# Allegro board RK_TABLET_DEMO1_RK3576_LP4XD200P132SD6_V12_20240530YWQ.brd (continued)
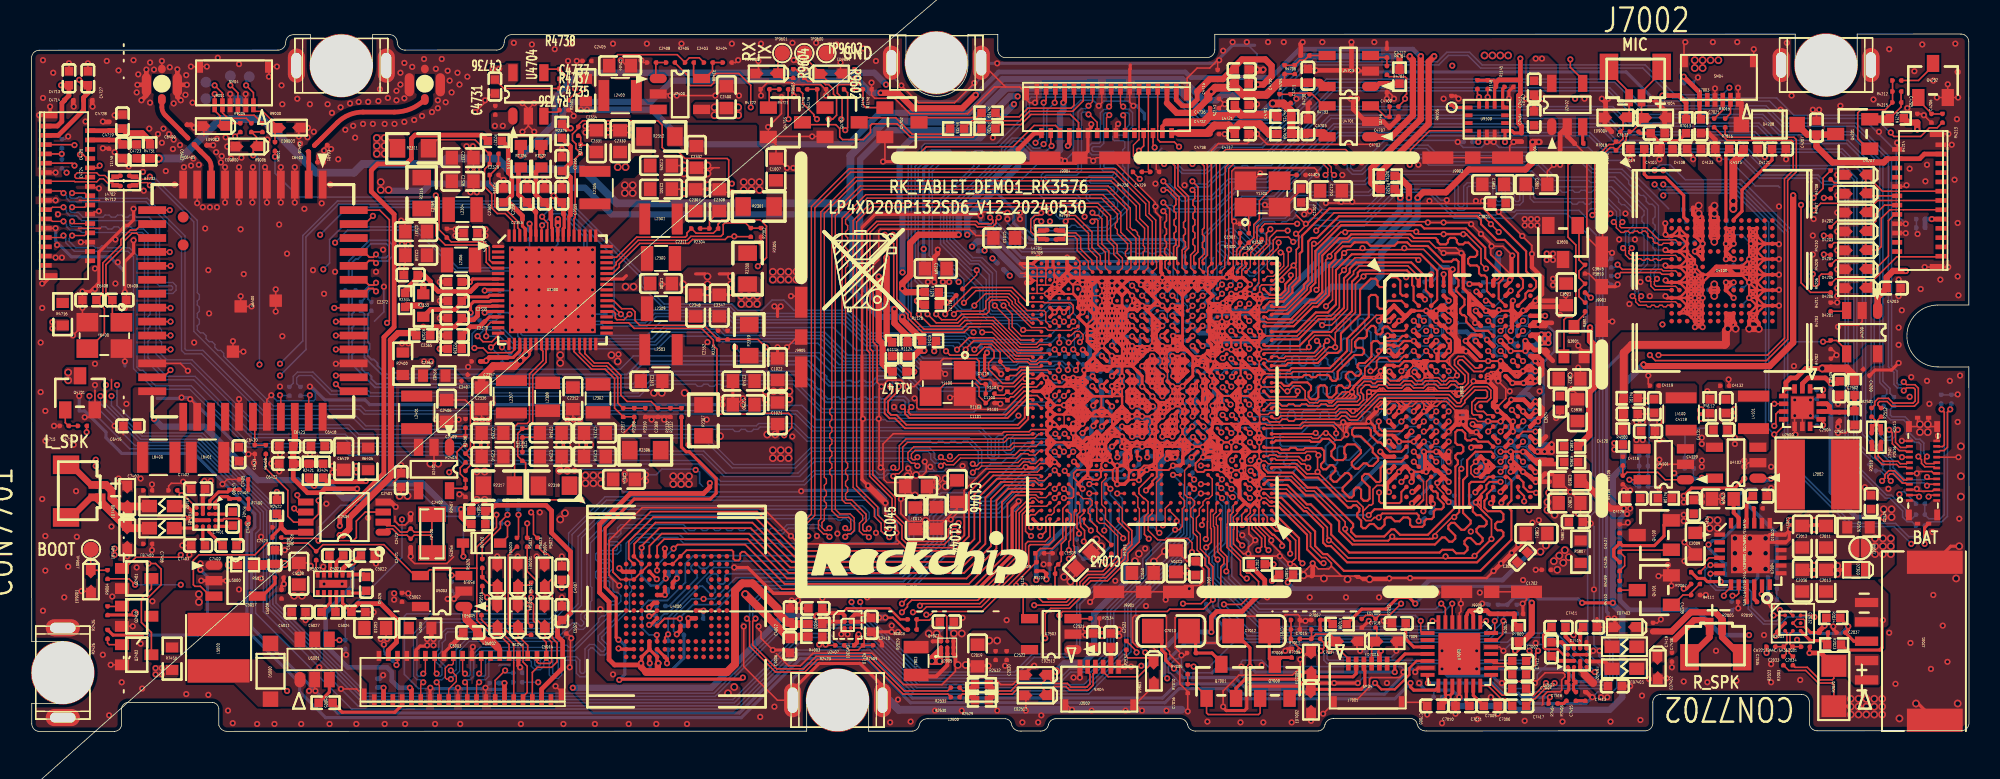
[diagram p0: board, top side]
## Routing (per net, layer and track width the routed paths; a pad name or vN(x,y) marks a point on that pad's centre or on a via; arc(x,y) is an arc through that point) (continued)
  TOP w0.229: U1000.1J24 65.52,19.38 65.52,19.17 U1000.1H24 ; U1000.1J24 65.94,19.8 v1(66,19.8) ; U1000.1J24 65.52,19.77 65.52,19.98 U1000.1K24 ; v1(76.22,24.07) 76.52,24.37 U1000.1U6 v1(76.82,24.67) U1000.1V6 ; v1(76.22,24.07) 76.27,24.02 76.27,24.02 U1000.1T6 ; v1(76.22,24.07) 76.07,23.92 ; U1000.2B6 v1(72.32,19.05) 71.99,18.72 ; U1000.2B6 72.64,18.72 72.32,18.39 ; U1000.2B6 72.97,18.4 ; U1000.2B6 U1000.2B7 ; 67.82,18.07 U1000.1F21 67.82,17.47 ; 67.82,18.07 U1000.1G21 ; 67.82,18.07 v1(67.87,18.07) ; v1(69.72,28.8) U1000.2V11 ; v1(69.72,28.8) U1000.2U11 ; v1(69.72,28.8) U1000.2U10 ; v1(69.72,28.8) U1000.2V10 ; U1000.2V11 69.59,29.32 ; U1000.2V11 69.2,29.32 ; 69.07,23.6 U1000.2J12 ; 69.07,23.6 U1000.2K12 ; 69.07,23.6 U1000.2J11 U1000.2K10 ; 71.99,27.17 U1000.2P6 ; 71.99,27.17 U1000.2T6 72.32,28.15 ; 71.99,27.17 v1(71.67,27.5) ; 66.58,29.43 U1000.AK25 U1000.AL25 66.82,30.6 v1(66.83,30.61) ; 66.58,29.43 66.88,29.13 ; 66.58,29.43 U1000.1AE23 v1(66.02,28.87) ; U1000.2U6 72.64,28.47 ; 72.64,28.47 72.32,28.8 ; 72.64,28.47 v1(72.97,28.8) U1000.2U5 73.62,28.8 ; 72.64,28.47 72.32,28.15 ; v1(72.97,24.89) 72.97,24.25 ; v1(72.97,24.89) 72.97,24.89 73.29,24.57 ; v1(72.97,24.89) 72.96,24.9 v1(72.32,24.9) ; v1(72.97,24.89) 72.96,24.89 U1000.2L6 ; v1(72.97,24.89) 72.97,24.9 U1000.2M6 ; 72.97,24.25 v1(72.97,24.24) 72.97,24.24 U1000.2K5 72.97,23.6 v1(72.97,23.59) 72.97,23.59 U1000.2J5 ; 72.97,24.25 73.29,24.57 ; 72.97,24.25 U1000.2L6 ; 73.62,28.8 U1000.2V5 73.1,29.32 ; 73.62,28.8 U1000.2U4 ; 73.62,28.8 U1000.2V4 ; U1000.2R4 74.19,26.92 74.27,26.92 ; U1000.2R4 74.27,27.5 ; U1000.2R4 v1(73.62,27.5) U1000.2R5 ; v1(77.42,26.47) U1000.1Y5 ; v1(77.42,26.47) U1000.1Y4 ; v1(77.42,26.47) U1000.1AA4 ; U1000.1Y5 v1(76.82,26.47) U1000.1Y6 ; U1000.1Y5 76.84,25.9 76.84,25.84 ; v1(70.37,20.35) v1(71.02,20.35) U1000.2D9 v1(70.37,20.35) ; v1(70.37,20.35) U1000.2D10 ; v1(70.37,20.35) 70.04,20.67 ; v1(70.37,20.35) 70.69,20.67 ; v1(70.37,20.35) 69.72,20.35 ; 72.19,29.32 71.99,29.12 ; 72.19,29.32 71.8,29.32 ; 72.19,29.32 72.45,29.32 ; 76.84,25.84 v1(76.84,25.84) ; 76.84,25.84 U1000.1Y6 ; U1000.1F20 68.44,17.77 ; U1000.1F20 68.12,17.17 ; U1000.1F20 68.36,17.53 ; U1000.1F20 68.05,17.83 ; U1000.1F20 67.82,17.47 ; 68.44,17.77 U1000.2A12 ; 68.44,17.77 68.44,18.05 U1000.1G20 ; 65.42,22.27 U1000.1N24 ; 65.42,22.27 U1000.1P24 66.02,22.27 U1000.1N24 ; 65.42,22.27 65.17,22.02 U1000.T28 ; U1000.2F5 73.62,21.65 ; U1000.2F5 73.07,21.1 73.07,20.94 73.1,20.9 73.1,20.88 72.85,20.88 U1000.2E6 ; U1000.2F5 73.62,21 ; 73.62,21.65 U1000.2G4 ; 73.62,21.65 U1000.2F4 73.62,21 ; 76.21,19.82 76.21,19.87 76.49,20.15 76.49,20.17 ; 70.78,16.24 U1000.1C16 v1(70.05,15.97) ; 73.75,29.32 U1000.2V4 ; 73.75,29.32 73.49,29.32 ; 73.75,29.32 74.14,29.32 ; U1000.2V4 74.14,29.32 ; U1000.2M4 73.65,25.52 v1(73.65,25.55) ; U1000.2M4 73.65,24.93 ; U1000.2M4 74.27,24.9 ; U1000.2M4 74.27,25.55 ; U1000.1AA2 78.62,27.07 ; U1000.1AA2 79.22,27.07 ; U1000.1AA2 79.22,26.47 U1000.1Y2 v1(79.26,25.83) U1000.1W1 U1000.1V2 ; v1(77.12,29.34) 77.09,29.31 ; v1(77.12,29.34) 77.12,29.52 U1000.AK6 ; v1(77.12,29.34) 77.12,29.31 ; v1(77.12,29.34) 77.14,29.31 ; 77.09,29.31 77.12,29.31 ; 77.09,29.31 76.66,29.31 ; U1000.1K24 65.52,20.37 65.52,20.58 U1000.1L24 ; U1000.1K24 66,19.89 v1(66,19.8) ; U1000.1K24 66.02,20.47 ; U1000.1V2 U1000.1W3 ; U1000.1V2 v1(79.22,24.67) U1000.1U2 v1(79.22,24.07) ; 71.06,18.43 U1000.2B8 v1(71.67,18.4) 71.99,18.72 ; 71.06,18.43 70.98,18.36 ; 71.06,18.43 70.98,18.43 ; 67.82,18.67 U1000.1H20 ; 67.82,18.67 U1000.1G21 ; 67.82,18.67 U1000.1H21 ; 67.82,18.67 68.04,18.45 ; U1000.1H20 68.42,18.67 68.42,18.4 ; U1000.1H20 68.34,18.97 68.42,19.05 ; U1000.1AD20 68.42,28.27 U1000.1AC20 ; U1000.1AD20 68.42,28.87 ; U1000.1AD20 v1(67.82,28.27) U1000.1AC20 ; 77.58,29.31 77.58,29.36 U1000.AK6 ; 77.58,29.31 77.86,29.31 ; 77.58,29.31 77.14,29.31 ; 77.58,29.31 U1000.1AE4 77.86,29.31 ; 78.12,17.37 U1000.1E3 78.05,16.91 78.05,16.86 ; 78.12,17.37 78.12,17.47 v1(78.11,17.47) 78.12,17.47 78.12,17.57 U1000.1F3 ; 78.12,17.37 78.12,16.92 78.05,16.86 ; U1000.2R11 v1(69.72,27.5) U1000.2T11 v1(69.07,27.5) ; U1000.2R11 v1(69.72,26.85) U1000.2R10 ; U1000.2R11 v1(69.07,27.5) ; 74.27,18.4 U1000.2A3 ; 74.27,18.4 74.59,18.72 U1000.2B3 ; 74.27,18.4 U1000.2B4 ; 74.27,18.4 74.89,18.4 ; v1(76.84,25.84) 76.84,25.84 U1000.1W5 U1000.1V6 ; v1(76.84,25.84) 76.79,25.84 U1000.1W6 76.22,25.87 ; U1000.1K21 67.22,20.47 ; U1000.1K21 v1(67.82,19.87) ; U1000.1K21 67.82,20.47 ; U1000.1K21 U1000.1L21 ; 67.22,20.47 U1000.1L21 ; 67.22,20.47 v1(67.22,21.07) ; 67.22,20.47 U1000.1L22 ; 68.42,23.6 68.16,23.34 v1(67.92,23.34) ; 68.42,23.6 U1000.2K12 ; 68.42,23.6 68.69,23.32 ; 68.42,23.6 68.24,23.77 U1000.1T20 ; U1000.1V6 76.12,24.57 U1000.2L1 75.89,24.51 ; 76.11,19.37 76.24,19.25 ; v1(66.62,22.87) U1000.1P22 ; U1000.1P22 67.19,22.85 v1(67.22,22.85) 67.24,22.85 U1000.1P21 ; U1000.1P22 67.22,22.27 ; U1000.1P22 66.62,22.27 ; U1000.1K20 67.82,20.47 ; U1000.1K20 U1000.1L20 ; U1000.1K20 v1(67.82,19.87) ; 67.82,20.47 67.82,21.07 ; 67.82,20.47 U1000.1L21 ; 67.82,20.47 v1(67.82,19.87) ; 67.82,20.47 U1000.1L20 ; U1000.2E10 70.04,20.67 ; U1000.2E10 70.37,21 U1000.2E9 70.69,20.67 ; U1000.2E10 69.72,20.35 ; 70.04,20.67 70.69,20.67 ; v1(77.97,18.72) 78.06,18.72 U1000.1H3 78.06,19.23 v1(77.97,19.23) ; v1(77.97,18.72) 77.97,18.72 U1000.1H4 ; v1(77.97,18.72) 78.04,18.64 U1000.1G3 ; 77.97,21.72 77.97,22.22 ; 77.97,21.72 U1000.1N4 ; 77.97,21.72 78.02,21.67 U1000.1M4 ; 77.97,22.22 U1000.1N4 ; 77.97,22.22 78.04,22.29 v1(78.04,22.32) ; 75.05,29.32 U1000.2V2 75.44,29.32 ; 75.05,29.32 74.79,29.32 ; 75.05,29.32 75.44,29.32 ; U1000.2A11 v1(69.07,18.4) ; U1000.2A11 69.58,17.88 v1(69.58,17.5) ; U1000.2A11 69.07,17.75 U1000.2A12 ; 67.82,21.07 U1000.1M21 ; 67.82,21.07 U1000.1M20 ; 67.82,21.07 v1(67.82,21.67) ; 67.82,21.07 v1(67.22,21.07) ; 67.82,21.07 U1000.1L21 ; 67.82,21.07 U1000.1L20 ; U1000.1M21 v1(67.22,21.67) ; U1000.1M21 v1(67.82,21.67) ; U1000.1M21 v1(67.22,21.07) ; v1(67.22,21.67) U1000.1N21 ; v1(67.22,21.67) U1000.1M22 ; v1(67.22,21.67) v1(67.82,21.67) ; v1(67.22,21.67) v1(67.22,21.07) ; U1000.1N21 67.82,22.27 ; U1000.1N21 67.22,22.27 ; U1000.1N21 v1(67.82,21.67) ; v1(67.82,19.87) U1000.1J21 ; v1(67.82,19.87) v1(67.22,19.87) ; U1000.2V7 71.8,29.32 ; U1000.2V7 71.72,28.85 71.61,28.85 ; U1000.2V7 72.32,28.8 ; 71.8,29.32 71.54,29.32 ; v1(72.87,30.61) U1000.AL14 U1000.AK14 72.97,29.57 v1(72.97,29.32) ; U1000.2G4 73.62,22.29 v1(73.62,22.29) 73.58,22.33 73.58,22.33 U1000.2H5 ; U1000.2G4 v1(74.27,21.65) ; U1000.2G4 v1(74.27,22.3) U1000.2H3 74.93,22.96 ; v1(76.89,27.67) 76.82,27.67 U1000.1AB6 ; U1000.1AB6 76.82,27.07 U1000.1AB5 77.33,27.58 v1(77.33,27.68) ; U1000.1AB6 76.39,27.5 76.22,27.5 ; U1000.1AB6 76.32,27.17 U1000.2R1 ; 76.77,18.62 v1(76.77,18.67) 76.77,18.72 U1000.1H6 ; 76.77,18.62 76.77,18.12 ; 76.77,18.62 U1000.1G6 ; U1000.2K10 v1(69.7,24.26) ; U1000.2K10 70.37,24.25 U1000.2K9 ; U1000.2K10 70.37,23.6 U1000.2K9 ; 68.04,18.45 U1000.1G20 ; 68.04,18.45 68.3,18.72 U1000.2B12 ; U1000.1G20 68.39,18.37 68.42,18.4 ; U1000.1G20 67.87,18.12 v1(67.87,18.07) ; U1000.2A12 68.42,18.4 ; U1000.2A12 68.29,18.07 68.05,17.83 ; U1000.2A12 v1(69.07,18.4) ; U1000.AK6 77.54,29.94 ; v1(73.65,17.17) U1000.1E10 74.28,17.34 74.28,17.76 U1000.2A3 ; v1(77.97,19.23) 77.97,19.23 U1000.1H4 ; v1(77.97,19.23) 77.97,19.32 U1000.1J4 ; U1000.1L6 76.41,20.77 76.18,21 76.18,21.01 v1(76.2,21.03) 76.2,21.06 U1000.1M6 ; U1000.1L6 v1(76.82,21.07) ; U1000.1L6 76.19,20.45 v1(76.19,20.37) 76.4,20.17 76.49,20.17 ; U1000.1J21 v1(67.22,19.27) U1000.1H21 ; U1000.1J21 U1000.1J22 ; 77.86,29.31 78.18,29.31 U1000.1AE3 v1(78.62,28.87) U1000.1AD3 v1(78.02,28.27) ; U1000.1E5 76.86,16.92 v1(76.77,16.92) ; U1000.1E5 v1(77.42,16.87) U1000.1D5 ; U1000.1E5 76.78,17.51 ; 73.62,21 v1(73.62,21) ; 73.62,21 v1(73.62,21) ; U1000.1N4 77.42,21.67 U1000.1M4 ; 66.62,18.67 U1000.1G22 67.22,18.67 ; v1(66,19.8) 66.09,19.8 U1000.1J23 ; 68.36,17.53 68.36,17.18 68.25,17.07 68.22,17.07 68.12,17.17 ; 68.36,17.53 69.56,17.53 v1(69.58,17.5) ; U1000.1M20 68.42,21.67 ; U1000.1M20 v1(67.82,21.67) ; v1(72.97,29.32) 72.84,29.32 ; v1(72.97,29.32) 73.1,29.32 ; 72.84,29.32 72.45,29.32 ; 72.84,29.32 U1000.2V6 ; 70.69,18.72 v1(70.37,19.05) U1000.2C10 ; 70.69,18.72 v1(70.37,18.4) 70.69,18.07 70.98,18.36 ; 70.69,18.72 U1000.2B9 70.98,18.43 ; 67.22,18.67 U1000.1G21 ; 67.22,18.67 U1000.1H21 ; v1(69.07,18.4) U1000.2B11 ; v1(69.07,18.4) U1000.2B12 ; U1000.1AC20 67.82,27.67 ; U1000.1AC20 68.42,27.67 U1000.1AB20 ; U1000.1AC21 67.82,27.67 ; 67.82,27.67 U1000.1AB21 ; 67.82,27.67 U1000.1AB20 ; U1000.2U10 70.37,28.15 U1000.2U9 70.69,28.47 U1000.2V10 ; U1000.2U10 70.69,29.12 ; 76.19,17.77 76.5,17.77 ; 76.5,17.77 U1000.1F6 ; 76.5,17.77 76.21,17.48 U1000.1E6 ; U1000.1F5 76.82,18.07 ; U1000.1F5 76.85,17.51 76.78,17.51 ; U1000.1F5 77.42,18.07 ; 76.82,18.07 U1000.1F6 ; 76.82,18.07 76.77,18.12 ; 68.42,18.4 U1000.2B12 ; v1(71.67,20.35) U1000.2E8 ; U1000.2R12 68.74,27.14 68.54,26.94 U1000.1AB20 ; U1000.2R12 v1(69.07,27.5) ; U1000.2R12 68.74,27.35 ; U1000.1G24 65.52,18.18 65.52,17.97 U1000.1F24 ; U1000.1G24 66.02,18.67 U1000.1H24 ; U1000.1G24 65.52,18.57 65.52,18.78 U1000.1H24 ; 74.89,18.4 74.92,18.4 U1000.2B3 ; 74.89,18.4 v1(74.89,18.37) U1000.2A3 ; U1000.1H4 v1(77.42,18.67) ; U1000.1F3 78.02,18.07 U1000.1G3 ; U1000.1F3 78.62,18.07 U1000.1G3 ; U1000.2R1 76.22,27.5 ; U1000.2R1 75.89,27.16 76.08,26.97 76.08,26.71 U1000.2P1 ; 78.05,16.86 78.05,16.83 ; 78.05,16.83 v1(78.05,16.83) ; 78.05,16.83 U1000.1D3 ; 70.5,29.32 70.89,29.32 ; 70.5,29.32 70.69,29.12 ; 70.5,29.32 70.24,29.32 ; 70.89,29.32 71.15,29.32 ; 70.89,29.32 70.69,29.12 ; U1000.1Y6 76.22,25.87 ; U1000.1Y6 76.17,26.52 U1000.2P1 ; U1000.2C11 U1000.2B12 ; U1000.2C11 69.72,19.7 ; U1000.2C11 69.72,19.05 ; U1000.2B12 68.42,19.05 ; 70.98,18.36 70.98,18.43 ; 69.39,25.22 U1000.2M11 ; U1000.1T6 76.82,23.47 U1000.1T5 77.42,23.47 ; U1000.1T6 76.25,23.5 ; 75.54,28.82 U1000.2U1 ; U1000.2U1 76.22,28.8 ; U1000.2U1 76.22,28.15 U1000.2T1 76.22,27.5 ; v1(66.02,17.4) 66.02,17.47 U1000.1F24 ; v1(66.02,17.4) 66.03,17.38 66.1,17.38 U1000.1E23 ; v1(66.02,17.4) 65.94,17.4 U1000.1E24 65.52,17.37 65.52,17.58 U1000.1F24 ; 75.44,29.32 75.7,29.32 75.7,29.31 ; U1000.1U4 77.97,24.63 v1(77.97,24.63) 78.06,24.63 U1000.1U3 78.06,24.12 v1(77.97,24.12) ; U1000.1U4 v1(77.97,24.12) ; U1000.1U4 v1(77.42,24.67) ; U1000.1C2 v1(79.22,15.67) U1000.1B2 v1(79.22,15.07) U1000.1A2 ; U1000.1C2 U1000.1D1 79.26,16.82 79.26,16.82 79.26,16.83 U1000.1E2 v1(79.22,17.47) ; U1000.1C2 v1(78.63,16.26) U1000.1D3 ; v1(78.02,21.07) U1000.1L3 78.06,20.52 v1(78.06,20.43) ; v1(78.02,21.07) U1000.1L4 v1(78.06,20.43) ; v1(78.02,21.07) U1000.1M4 ; 77.12,29.31 77.14,29.31 ; U1000.1A2 79.19,14.49 ; U1000.1A2 78.64,14.5 78.5,14.64 78.45,14.64 U1000.1A3 ; v1(78.04,22.32) 77.97,22.32 U1000.1P4 ; v1(78.04,22.32) 78.04,22.34 77.97,22.41 77.97,22.8 v1(78,22.83) 78.06,22.83 U1000.1P3 78.06,22.32 v1(78.04,22.32) ; U1000.AL29 64.95,30.55 v1(64.95,30.61) ; U1000.1E6 76.76,17.42 v1(76.76,17.51) ; U1000.1E6 v1(76.77,16.92) ; U1000.1D5 v1(77.45,16.24) 77.48,16.21 ; U1000.1D5 v1(76.77,16.92) ; v1(67.82,21.67) 68.42,21.67 ; v1(67.82,21.67) U1000.1N20 ; v1(67.82,21.67) 67.82,22.27 ; 76.82,19.87 U1000.1K6 76.49,20.17 ; 74.27,28.8 73.94,29.12 ; 74.27,28.8 U1000.2U3 ; 74.27,28.8 U1000.2V3 74.4,29.32 ; 74.27,28.8 U1000.2U4 ; 72.32,28.8 72.32,28.8 ; 72.32,28.8 72.32,28.8 ; 72.32,28.8 U1000.2V6 ; 76.22,25.87 U1000.2N1 ; U1000.2N1 76,25.98 76,26.41 U1000.2P1 ; U1000.2N1 76.04,25.73 ; U1000.1L22 67.21,21.06 67.21,21.07 ; U1000.1L22 66.62,20.47 ; U1000.1N24 65.52,21.78 65.52,21.68 v1(65.51,21.67) ; 76.22,28.8 U1000.2V1 75.7,29.31 ; 76.22,28.8 76.38,28.96 76.38,29.03 U1000.1AE6 76.66,29.31 ; 67.66,29.32 U1000.1AE21 67.37,29.32 ; 67.66,29.32 67.97,29.32 ; 67.66,29.32 67.37,29.32 ; U1000.2P6 72.97,26.2 v1(72.97,26.2) ; U1000.2P6 72.32,26.2 U1000.2N6 72.32,25.55 U1000.2M6 ; 73.49,29.32 73.1,29.32 ; 73.49,29.32 73.29,29.12 ; v1(74.27,20.35) U1000.2D3 v1(74.27,19.7) ; 68.12,17.17 67.82,17.47 ; 71.54,29.32 U1000.2V8 ; 71.54,29.32 71.15,29.32 ; U1000.2V8 71.58,28.88 v1(71.58,28.85) 71.61,28.85 ; U1000.2V8 71.15,29.32 ; U1000.2G10 v1(70.37,22.3) ; 72.32,18.39 U1000.2B7 ; 72.32,18.39 U1000.2A6 ; 74.14,29.32 74.4,29.32 ; 69.72,25.55 U1000.2M10 ; U1000.2M10 70.38,25.56 ; U1000.2M10 70.02,25.2 ; 72.32,28.8 U1000.2U7 ; U1000.1T3 78.02,23.47 ; U1000.1T3 v1(77.97,24.12) ; U1000.1T3 U1000.1R2 ; 68.42,28.87 68.49,28.87 U1000.2V12 ; 68.42,28.87 U1000.1AE20 ; U1000.1L21 v1(67.22,21.07) ; v1(69.58,17.5) 69.91,17.17 v1(70.05,17.17) U1000.1E16 70.52,17.9 U1000.2A9 ; U1000.1P21 67.82,22.27 ; U1000.1P21 67.22,22.27 ; U1000.1P21 67.82,22.87 ; 67.82,22.27 U1000.1P20 67.82,22.87 ; 67.82,22.27 U1000.1N20 ; 74.27,24.9 U1000.2L3 U1000.2K2 ; 74.27,24.9 U1000.2L4 73.94,24.61 v1(73.65,24.9) ; 79.22,20.47 U1000.1L2 78.94,20.8 v1(79.26,21.12) ; U1000.1K3 v1(78.06,20.43) ; U1000.1K3 U1000.1J4 ; U1000.1K3 U1000.1J2 79.22,19.87 ; U1000.2K9 71.02,24.25 ; U1000.2K9 71.02,23.6 U1000.2K8 71.02,24.25 ; v1(68.45,22.3) 68.74,22 U1000.2G12 ; 70.69,27.17 70.36,26.84 ; 70.69,27.17 U1000.2R9 v1(71.02,27.5) ; 70.69,27.17 70.37,27.5 ; 70.36,26.84 70.04,27.17 ; 70.36,26.84 70.69,26.52 70.69,26.52 70.37,26.2 70.69,25.87 70.38,25.56 ; U1000.2D10 69.72,20.35 ; U1000.2D10 69.72,19.7 ; 69.72,20.35 69.72,20.35 ; 69.72,20.35 69.72,20.35 ; 76.25,23.5 76.25,23.56 ; 76.25,23.5 76.02,23.27 U1000.2J1 U1000.2K1 75.89,23.98 75.6,24.28 ; v1(65.51,21.67) 65.47,21.67 U1000.T28 ; v1(65.51,21.67) 65.51,21.58 U1000.1M24 65.52,21.18 65.52,20.97 U1000.1L24 ; 76.17,18.72 U1000.1G6 ; U1000.1G6 76.52,18.37 ; U1000.1G6 76.22,18.07 ; U1000.1G6 76.77,18.12 ; 70.69,29.12 U1000.2V9 ; U1000.2U3 74.27,28.15 U1000.2U4 ; U1000.2U3 74.92,28.8 75.02,28.8 75.04,28.82 75.04,28.82 ; v1(79.27,28.23) 79.27,28.22 U1000.1AC1 ; U1000.1AE20 68.26,29.32 ; U1000.1AE20 67.97,29.32 ; 68.26,29.32 68.55,29.32 ; 68.26,29.32 67.97,29.32 ; v1(71.96,16.89) 72.24,17.17 U1000.1E13 72.64,17.5 U1000.2A6 ; 71.67,24.25 U1000.2L8 ; U1000.2L8 71.02,24.25 ; U1000.2L8 71.34,24.57 v1(71.02,24.89) ; v1(71.67,27.5) U1000.2R8 v1(71.02,27.5) ; v1(71.67,27.5) U1000.2T8 v1(71.02,27.5) ; U1000.2B4 73.62,18.4 U1000.2B5 73.24,18.67 72.97,18.4 ; U1000.2B4 v1(74.27,19.05) U1000.2B3 ; U1000.2F6 72.69,21.27 U1000.2E5 v1(73.62,21) ; v1(67.87,18.07) 67.87,18.02 68.05,17.83 ; 68.55,29.32 68.94,29.32 ; 68.55,29.32 U1000.2V12 ; 68.94,29.32 U1000.2V12 ; 68.94,29.32 69.2,29.32 ; v1(67.82,15.67) U1000.1C21 ; U1000.2C10 69.72,19.7 ; U1000.2C10 69.72,19.05 ; 69.59,29.32 69.2,29.32 ; 69.59,29.32 69.85,29.32 ; U1000.2V10 69.85,29.32 ; U1000.2V10 70.24,29.32 ; 69.85,29.32 70.24,29.32 ; 74.4,29.32 74.79,29.32 ; 71.99,24.57 v1(72.32,24.9) ; 74.79,29.32 74.59,29.12 ; 76.14,18.97 U1000.1H6 ; U1000.1H6 76.52,18.7 ; 76.04,25.73 76.22,25.55 76.04,25.36 ; 76.04,25.73 76.04,25.36 ; U1000.2M6 v1(72.32,24.9) ; U1000.2M6 U1000.2L6 ; v1(72.32,24.9) U1000.2L6 ; U1000.2E6 72.97,20.35 v1(72.97,20.34) ; U1000.2E6 72.32,20.35 72.32,20.34 ; U1000.1N20 68.42,21.67 ; U1000.2K12 68.53,24.13 68.53,24.18 U1000.1T20 ; 72.45,29.32 U1000.2V6 ; v1(67.92,23.34) 67.94,23.32 67.94,22.99 67.82,22.87 ; v1(67.92,23.34) 68.06,23.48 68.06,23.72 U1000.1T20 ; 73.29,24.57 U1000.2L5 73.62,24.9 ; v1(67.22,21.07) 67.21,21.07 ; 71.61,28.85 U1000.2U7 ; U1000.1D3 77.96,16.21 ; v1(79.26,21.12) 79.26,21.12 U1000.1M1 79.22,21.67 ; v1(79.26,21.12) 79.17,21.12 U1000.1M2 ; U1000.1L24 66.02,20.47 ; 66.02,20.47 66.04,20.5 ; 76.04,25.36 U1000.2M1 76.14,24.97 76.14,24.87 ; 72.97,18.4 U1000.2A6 ; 69.72,19.05 U1000.2B11 ; v1(75.59,17.71) 75.98,17.71 ; U1000.1C4 77.48,16.21 ; U1000.1C4 77.96,16.21 ; U1000.1C4 77.93,15.76 77.93,15.16 77.96,15.13 ; 77.48,16.21 77.96,16.21 ; U1000.T28 U1000.T29 ; U1000.2B7 71.99,18.72 ; 68.42,19.05 U1000.2C12 U1000.2B11 ; U1000.2H10 v1(69.72,22.3) ; 67.21,21.07 v1(66.62,21.07) ; v1(64.24,28.98) 64.48,28.98 U1000.AJ29 ; 76.22,18.07 U1000.2A1 75.59,18.37 v1(75.57,18.37) 75.57,18.4 U1000.2B1 76.05,18.88 76.05,19.22 U1000.2C1 ; 76.22,18.07 U1000.1F6 ; 70.38,25.56 70.38,25.53 70.69,25.22 70.39,24.92 70.39,24.87 70.04,25.22 ; 77.96,16.21 77.96,15.13 ; U1000.1L5 v1(76.82,21.07) ; U1000.1R2 v1(79.22,22.87) U1000.1R1 79.22,23.47 U1000.1R2 ; 75.7,29.31 76.66,29.31 ; U1000.2U7 72.32,28.15 ; 70.04,27.17 70.36,27.49 ; 70.04,27.17 69.71,27.49 ; 64.89,22.8 64.89,22.8 U1000.V28 65.22,23.07 v1(65.45,22.84) ; 79.22,21.67 U1000.1N2 78.62,21.67 U1000.1M2 ; 79.22,21.67 U1000.1M2 ; v1(76.14,22.97) 76.52,22.6 U1000.1P6 76.25,22.3 v1(76.17,22.3) 76.18,22.3 76.19,22.3 76.51,21.97 U1000.1N6 76.82,21.67 U1000.1M6 ; U1000.1F6 76.76,17.52 v1(76.76,17.51) ; 76.78,17.51 v1(76.76,17.51) ; v1(76.76,17.51) 76.56,17.71 ; v1(76.82,21.07) U1000.1M6 ; U1000.1A3 77.96,15.13 ; U1000.1A3 U1000.B5 ; v1(64.16,17.08) 64.21,17.02 U1000.G29 ; 78.29,28 U1000.1AC3 v1(78.02,28.27) ; 67.11,29.33 67.13,29.32 67.37,29.32 ; v1(71.91,15.57) U1000.1C13 ; v1(66.02,28.87) U1000.1AD23 ; v1(66.02,28.87) U1000.1AD24 65.51,28.36 v1(65.51,28.28) 65.51,28.18 U1000.1AC24 ; 75.04,28.82 75.04,28.67 U1000.2U2 75.49,28.72 v1(75.49,28.82) ; 75.04,28.82 75.04,28.92 ; U1000.1J4 77.42,19.87 ; U1000.1AC4 v1(78.02,28.27) ; v1(69.07,24.9) U1000.2L11 ; 76.19,19.75 76.19,19.84
  TOP w0.254: 92.54,19.67 92.38,19.83 v1(92.38,20.01) 92.33,20.01 92.13,19.81 91.88,19.81 ; 92.54,19.67 92.54,20.16 92.61,20.23 ; 92.54,19.67 92.88,19.34 v1(93.22,19.34) U3800.T8 ; v1(39.89,4.4) 39.87,4.43 U4000.P4 ; U3800.J3 89.84,23.27 v1(89.96,23.27) ; v1(93.04,22.62) 93.1,22.57 93.94,22.57 v1(93.99,22.62) ; v1(9.88,13.79) 10.14,13.79 v1(10.29,13.64) 10.29,13.64 U7400.C4 U7400.C2 ; U4000.H10 43.35,7.81 v1(43.36,7.8) ; v1(62.51,21.16) 62.46,21.21 C1101.2 ; U4000.P6 41.01,4.67 v1(41.01,4.4) ; J5000.32 31.41,4.25 v1(31.52,4.14) ; v1(89.84,18.07) 89.91,18 89.91,16.85 v1(89.99,16.77) ; v1(73.65,25.55) 73.65,25.54 73.65,24.9 v1(73.65,24.9) 73.62,24.9 ; v1(100.71,2.21) 100.66,2.21 100.34,2.54 C7415.1 ; v2(111.46,26) 111.46,26.38 U4100.P12 ; v2(59.52,6.32) 59.49,6.3 U2005.C3 U2005.C2 U2005.C1 59.62,4.89 59.62,4.29 ; v1(95.44,17.42) 95.52,17.51 95.52,17.98 v1(95.44,18.07) ; U2407.B1 52.46,6.52 52.66,6.32 v1(52.66,6.27) ; U3800.C5 91.37,27.24 ; v1(96.24,20.67) U3800.N11 ; 93.25,23.97 92.67,24.55 v1(92.55,24.55) ; U4000.A6 v1(40.87,11.81) ; v1(41.63,9.88) 41.37,9.61 U4000.E7 ; U4100.P11 v2(110.83,26.01)
  TOP w0.279: v1(96.25,27.18) 96.26,27.2 96.41,27.2 U3800.C12 v1(97.04,27.82) 97.46,28.24 97.46,29.34 96.81,29.99 v1(96.81,30.84) ; U3800.K9 v1(94.64,22.62) 94.7,22.68 94.7,23.23 v1(94.78,23.32) ; U3800.K9 94.69,23.32 v1(94.78,23.32) ; U3800.K9 v1(93.99,22.62) ; 96.87,16.29 97.03,16.13 97.05,16.13 v1(97.06,16.12) ; v1(90.64,18.07) 90.79,18.07 U3800.V5 ; v1(89.46,29.34) 89.51,29.28 U3800.A3 ; U3800.V5 v1(91.44,17.42) v1(91.44,18.07) U3800.V5 ; v1(95.55,30.74) 95.49,30.69 95.49,29.27 v1(95.39,29.17) 95.39,29.07 U3800.A10 ; U3800.J10 95.11,23.6 v1(94.79,23.92) 94.78,23.92 v1(94.78,23.32) ; U3800.J10 95.76,22.95 U3800.K11 ; U3800.J10 94.84,23.32 v1(94.78,23.32) ; U3800.D11 95.52,26.45 ; 95.52,26.45 95.52,25.95 v1(95.44,25.87) ; 95.52,26.45 95.52,27.24 ; U3800.AB10 94.84,14.87 v1(94.84,14.77) ; v1(97.3,17.3) 97.15,17.3 96.71,17.74 U3800.V12 96.39,18.07 v1(96.24,18.07) ; 95.91,17.1 v1(96.24,16.77) U3800.Y12 ; 89.74,16.77 v1(89.99,16.77) U3800.W4 ; v1(96.24,23.27) 96.56,23.6 U3800.J12 ; 93.91,27.17 v1(93.84,27.17) U3800.C8 93.45,27.56 ; 93.91,27.17 93.98,27.1 94.57,27.1 v1(94.69,27.22) 94.69,27.22 U3800.D9 93.99,27.17 93.91,27.17 ; 92.77,27.56 92.77,28.24 93.45,27.56 ; 92.77,27.56 92.77,27 93.14,26.62 v1(93.14,26.39) 93.32,26.39 U3800.E8 ; 92.77,27.56 92.98,27.56 93.02,27.59 93.36,27.59 93.39,27.56 93.45,27.56 ; 95.52,27.24 95.52,27.75 v1(95.59,27.82) ; 95.52,27.24 95.59,27.17 ; v1(86.77,20.83) 86.77,20.68 86.27,20.17 v1(86.27,20.02) ; 91.91,25.4 92.1,25.21 92.1,24.74 ; 91.91,25.4 91.87,25.44 ; 91.91,25.4 91.91,24.55 ; v1(93.84,17.42) 93.84,17.32 93.91,17.26 93.91,16.93 93.83,16.86 93.83,16.76 ; v1(93.84,17.42) 93.99,17.42 U3800.W9 93.98,16.76 93.83,16.76 ; v1(93.84,17.42) U3800.V8 v1(93.19,17.42) ; 94.28,10.3 v1(94.34,10.36) v1(95.51,11.53) 96.37,12.39 ; U3800.T3 v1(89.19,18.72) ; U3800.P10 95.11,20.35 ; 95.11,20.35 95.44,20.02 v1(95.59,20.02) 95.52,19.95 95.52,19.44 v1(95.59,19.37) 95.44,19.37 U3800.T10 ; 95.11,20.35 94.82,20.59 94.7,20.71 v1(94.59,20.71) ; 95.11,20.35 v1(94.79,20.02) ; U4000.K8 41.87,6.51 v1(41.63,6.27) ; 91.87,26.3 91.87,25.44 ; 91.87,26.3 91.44,25.87 v1(91.44,25.87) ; 91.87,26.3 91.87,26.74 ; 91.87,25.44 v1(91.44,25.87) ; v1(89.19,20.02) U3800.P3 v1(89.84,20.67) 89.99,20.67 U3800.N4 ; U3800.T5 v1(91.44,19.37) 91.95,19.88 91.95,20.32 ; U3800.AB8 93.19,14.82 v1(93.19,14.8) ; v1(39.86,8) 40.17,8.31 U4000.G5 ; 90.06,27.1 90.57,27.1 ; 91.91,24.55 92.1,24.74 ; 91.91,24.55 v1(92.55,24.55) 92.37,24.74 92.1,24.74 ; v1(97.21,26.29) 97.12,26.2 U3800.E12 ; v1(91.44,27.17) 91.37,27.24 90.71,27.24 ; v1(91.44,27.17) 91.87,27.61 ; v1(91.44,27.17) 91.77,26.84 ; U3800.W4 89.99,17.42 89.98,17.42 89.91,17.49 ; U3800.W4 90.56,16.85 90.71,16.85 U3800.Y5 v1(91.44,16.12) ; 90.71,27.24 v1(90.64,27.17) v1(90.64,26.52) 90.96,26.2 U3800.E5 v1(91.44,25.87) ; 90.71,27.24 90.96,27.5 U3800.C5 ; U3800.G5 90.96,24.9 v1(90.64,24.57) 90.72,24.49 90.72,23.92 90.73,23.92 ; 91.95,20.32 91.95,20.65 92.59,20.65 92.61,20.63 92.61,20.23 92.04,20.23 91.95,20.32 ; 91.87,27.61 91.87,28.07 91.54,28.4 91.54,29.69 v1(91.7,29.84) ; 91.87,27.61 91.87,26.94 ; v1(97.05,20.69) 96.71,20.35 U3800.P12 96.56,20.35 v1(96.24,20.67) ; v1(89.04,16.12) 89.11,16.19 89.11,16.7 v1(89.04,16.77) U3800.W2 88.56,17.1 v1(88.24,16.77) U3800.Y1 87.46,15.99 87.46,15.59 v1(87.59,15.46) ; U3800.Y8 93.83,16.76 ; v1(86.93,26.52) 86.94,26.52 U3800.C1 88.56,26.85 U3800.D2 ; v1(87.03,18.07) 87.35,17.75 U3800.V1 ; v1(94.59,20.71) 94.59,20.72 U3800.N9 94.57,21 94.57,20.74 v1(94.59,20.71) ; U3800.D2 88.39,26.52 v1(88.24,26.52) U3800.E1 ; U3800.D2 89.04,27.17 89.21,27.17 ; v1(89.19,25.22) U3800.G3 ; U3800.K4 89.99,23.27 v1(89.96,23.27) 89.96,23.39 89.92,23.43 89.92,23.76 89.96,23.8 89.96,23.82 90.06,23.92 89.83,23.92 U3800.J3 89.19,23.92 ; 91.87,26.94 91.87,26.74 ; 91.87,26.94 91.77,26.84 ; v1(95.44,24.57) U3800.G10 v1(94.79,25.22) ; v1(92.41,29.46) 92.38,29.49 92.38,30.77 v1(92.26,30.9) ; 91.87,26.74 91.77,26.84 ; U3800.P1 v1(88.24,20.67) 88.39,20.67 U3800.N2 ; v1(93.19,25.22) U3800.G8 ; v1(96.39,25.22) U3800.G12 v1(96.39,24.57) v1(96.39,25.22) ; 95.51,17.35 v1(95.44,17.42) 95.59,17.42 U3800.W11 95.59,16.77 v1(95.44,16.77) 95.51,16.84 95.51,17.35
  TOP w0.305: R5004.2 25.8,6.11 v1(25.94,5.97) ; v1(95.63,38.07) 95.66,38.1 C9104.2 ; C2413.2 96.95,40.72 ; 96.95,40.72 C2414.2 ; 96.95,40.72 97.11,40.87 v1(97.46,40.87) ; ANT6401.3 v1(6.84,41.77) ; ANT6401.3 v1(7.41,42.75) ; ANT6401.3 7.41,41.09 v1(7.09,40.77) ; C2502.2 116.56,21.62 v1(116.56,21.16) ; v1(34.22,35.62) 34.22,35.62 C2355.2 ; 97.3,16.29 97.14,16.13 ; 97.3,16.29 96.87,16.29 U3800.Y12 ; 97.3,16.29 97.64,16.64 98.1,16.64 ; 97.14,16.13 97.97,16.13 ; 97.14,16.13 97.07,16.13 v1(97.06,16.12) ; D4208.1 110.33,40.6 J7003.1 ; 79.06,40.52 v1(79.07,40.51) 79.02,40.46 C4721.2 ; 97.46,24.64 96.97,24.64 U3800.G12 ; 97.46,24.64 97.72,24.64 97.84,24.51 ; 97.46,24.64 98.16,23.94 ; v1(97.04,27.82) 97.05,27.81 98.22,27.81 ; v1(93.99,22.62) 94,22.62 94.47,22.15 94.47,21.36 94.31,21.21 U3800.N9 ; v1(24.46,14.05) C2422.1 ; C4717.2 79.06,38.59 v1(79.07,38.58) ; C4720.2 4.63,39.37 v1(4.6,39.39) ; v1(97.04,23.27) U3800.J12 ; C2421.1 v1(24.46,11.3) ; v1(85.17,44.53) v1(85.17,42.7) v1(82.88,42.7) ; v1(82.67,10.86) 82.67,10.1 82.6,10.03 ; v1(23.5,14.5) 23.18,14.82 U2404.4 ; v1(82.02,44.53) 81.9,44.4 R4706.2 ; C7021.2 108.23,38.64 108.65,38.22 C4123.2 ; C2356.2 v1(34.22,37.62) ; U3800.K11 v1(96.24,23.27) ; C5022.2 22.15,10.92 v1(22.23,10.85) ; J2502.6 70.53,4.18 v1(70.54,4.19) ; v1(97.21,26.29) 97.3,26.2 97.68,26.2 97.49,26.39 ; C2363.2 v1(26.34,25.58) ; U3800.AB5 v1(91.44,14.82) ; v1(116.56,19.68) 116.56,19.97 C2504.2 ; v1(27.26,8.56) 27.77,9.07 U5003.2 ; R4733.2 82.36,40.5 C4703.2 ; v1(90.64,27.17) U3800.D4 ; U3800.D4 v1(89.99,27.17) ; U3800.D4 v1(90.64,26.52) ; C6400.1 10.3,39.18 v1(10.49,38.99) ; v1(2.72,40.36) 2.69,40.39 C4714.2 ; v1(101.32,40.87) 101.56,40.63 ED9004.2 101.52,39.61 101.52,39.18 R7018.2 ; 95.44,27.17 95.59,27.17 U3800.D11 v1(96.25,27.18) ; 98.1,26.39 97.49,26.39 ; 97.49,26.39 97.46,26.42 96.93,26.42 96.71,26.2 U3800.E12 ; C5003.2 27.86,6.31 v1(27.1,5.56) ; 98.35,17.27 97.33,17.27 v1(97.3,17.3) ; R2414.2 99.09,38.46 U2402.2 98.63,38.6 v1(98.63,36.6) ; U3800.Y5 90.72,16.05 v1(90.71,16.05) ; v1(85.52,40.87) 85.28,40.63 85.28,40.2 86.07,39.4 U4701.2 87.21,39.4 C4702.2 88.19,39.59 C4707.2 ; 109.37,30 109.87,29.5 ; 109.37,30 109.35,30 ; 109.37,30 U4100.G10 ; 109.87,29.5 108.9,29.5 108.88,29.53 ; 109.87,29.5 U4100.H10 ; 109.35,30 108.88,29.53 ; 109.35,30 108.72,30 108.22,29.5 108.85,29.5 108.88,29.53 ; v1(58.47,31.11) 58.47,30.86 58.25,30.63 v1(58.25,29.03) ; C2335.2 v1(26.34,29.03) ; 98.61,27.43 96.78,27.43 U3800.C12 ; J2502.1 67.65,3.48 v1(67.64,3.48) ; U3800.AB3 89.09,14.73 v1(89.07,14.73) ; v1(3.94,40.36) 3.91,40.39 C4728.2 ; ANT6401.4 v1(9.41,42.76) ; ANT6401.4 v1(10.02,41.77) ; ANT6401.4 9.41,40.99 v1(9.63,40.77) ; C2370.2 v1(26.34,27.81) ; 97.72,19.05 97.39,18.72 v1(97.04,18.72) U3800.T12 ; C2365.2 v1(26.34,26.69) ; v1(33.1,35.62) 33.1,35.62 C2353.2 ; C6405.1 v1(11.72,37.86) ; 98.1,17.53 96.93,17.53 U3800.V12 ; v1(30.46,35.62) C2360.2 ; v1(104.63,40.87) 105.4,40.09 ED7004.2 105.38,39.63 C7019.2 ; C2358.2 v1(31.98,35.62) ; v1(88.24,18.72) U3800.T1
  TOP w0.406: v2(110.83,26.01) 110.84,26 v2(111.46,26) ; v1(79.48,42.75) 79.43,42.7 79.12,42.7 v1(79.07,42.75) 79.02,42.75 79.01,42.76 C4716.2 ; v1(53.98,15.87) v1(55.1,14.76)
  L2-GND w0.102: 76.69,43.81 76.6,43.73 76.56,43.65 76.48,43.51 76.36,43.4 76.23,43.31 76.11,43.19 J9915.3
  L3-POWER w0.102: J9912.2 49.11,2.42 51.03,4.34 53.01,4.34 54.91,2.45 J9912.3 55.68,1.24 58.48,1.24 ; v1(90.05,1.09) 89.9,1.24 83.12,1.24 v1(82.56,0.69) ; J9915.2 55.48,42.46 57.28,40.66 59.97,40.66 60.94,41.63 ; v1(106.71,44.53) 106.63,44.45 96.88,44.45 96.65,44.68 86.79,44.68 v1(86.64,44.53) ; 43.41,25.35 43.41,27.96 43.61,28.17 v2(43.61,28.37) v2(43.61,28.88) v2(43.61,29.39) v2(45.14,29.39) 45.7,29.95 45.7,32.18 45.55,32.33 45.14,32.33 44.99,32.18 44.99,30.42 44.56,30 43.33,30 43.01,29.67 43.01,17.09 42.85,16.94 v1(42.85,16.89) 42.9,16.89 43.01,16.79 43.01,15.57 48.01,10.57 57.66,10.57 58.05,10.17 66.46,10.17 66.63,10.01 v2(66.63,9.98) 66.73,9.98 v2(67.03,9.68) ; 43.41,25.35 43.41,24.94 ; 43.41,25.35 v1(43.61,25.15) 43.41,24.94 ; v1(76.63,43.36) 76.33,43.05 75.61,43.05 62.77,43.05 62.42,43.05 v1(62.31,43.15) ; 43.41,24.94 43.41,20.29 v1(43.56,20.14) 43.41,19.99 43.41,15.82 43.61,15.62 43.61,15.57 48.19,11 57.84,11 58.25,10.59 65.1,10.59 v1(65.31,10.79) ; v1(55.1,14.76) 54.94,14.91 49.42,14.91 46.97,17.37 46.97,18.67 v2(47.48,19.18) v2(47.98,19.18) 48.26,19.46 48.8,19.46 49.09,19.16 v1(49.09,19.05) 48.61,18.57 47.58,18.57 47.37,18.36 47.37,17.53 49.39,15.52 v1(49.66,15.52) 49.86,15.32 55.79,15.32 v1(56.09,15.01)
  L4-SIG w0.089: 80.06,29.31 80.04,29.34 v1(77.12,29.34) ; 77.04,13.32 77.04,13.54 76.43,14.15 76.43,16.87 v1(75.59,17.71) 75.42,17.71 75.06,17.35 75.06,16.84 76.02,15.88 76.02,13.9 76.53,13.39 76.53,13.32 ; 85.78,13.72 85.52,13.97 85.88,14.32 ; v1(77.97,19.23) 78.62,19.88 79.24,19.88 79.94,20.57 80.06,20.57 ; 77.4,11.56 77.5,11.45 77.5,11.3 ; 82.6,25.53 82.6,25 ; v1(78.02,21.07) 77.74,20.79 77.1,20.79 v1(76.82,21.07) ; 88.9,26.19 89.66,26.19 v1(89.99,25.87) 90.45,26.33 ; 95.44,18.2 95.44,18.26 95.76,18.59 95.76,18.74 96.07,19.05 ; 89.84,18.16 89.84,18.21 90.31,18.68 90.31,18.85 90.5,19.04 90.77,19.04 90.96,18.85 90.96,18.55 91.35,18.16 ; v1(69.7,24.26) 70.34,24.89 v1(71.02,24.89) ; 86.83,13.72 v1(86.93,13.82)
  L4-SIG w0.091: v1(80.44,30.17) 80.49,30.21